# Altium PCB APB.PcbDoc (part 3 of 3)
Units mm, origin at the board's own origin, x right, y up, seen from the top; angles counter-clockwise.
Board outline 70 x 120 mm, 4 copper layers (Top Layer, Internal Plane 1, Internal Plane 2, Bottom Layer); 191 components, 179 nets, 920 pads, 302 vias.
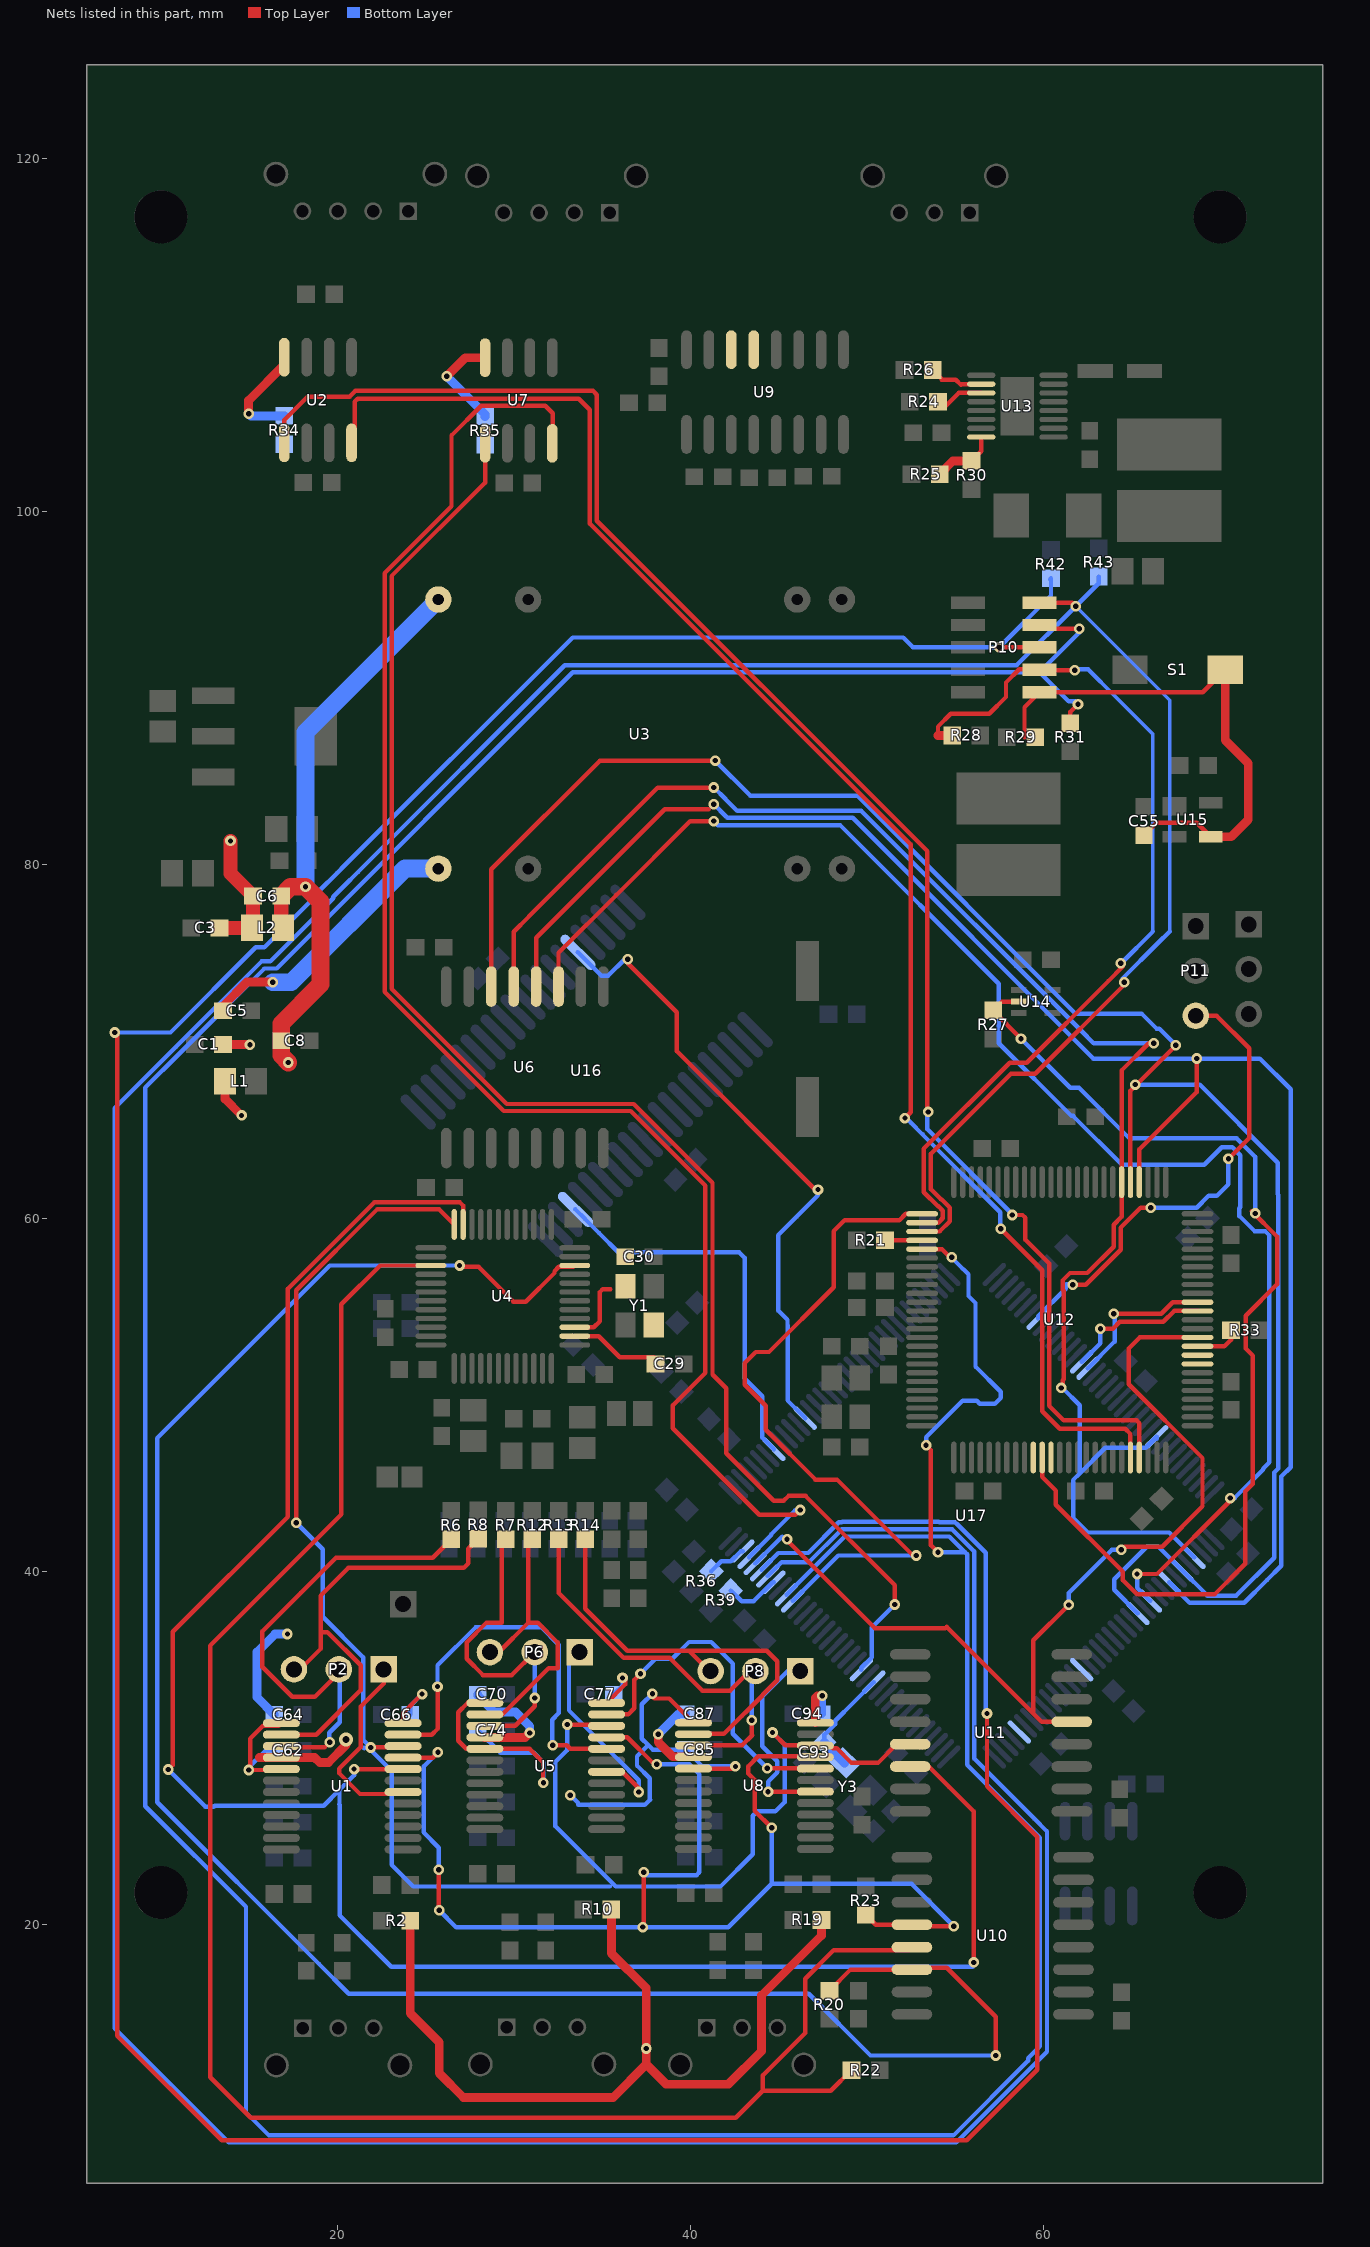
[diagram p5: the nets of this part, all layers, seen from the top]

## Via types
v1: diameter 0.6, hole 0.3, Top Layer to Bottom Layer, tented both sides, 287 vias
v2: diameter 0.8, hole 0.4, Top Layer to Bottom Layer, tented both sides, 14 vias
v3: diameter 0.8, hole 0.4, Top Layer to Bottom Layer, 1 vias

## Nets (pads, with @x,y where several pads share a name; then routed paths per layer and width w, separated by ;. In a path a pad name is that pad's centre, name@x,y a point inside that pad or via, vN(x,y) a via of type N, cw(c..) or ccw(c..) an arc to the next point about the centre after c; other vN are vias at no path point) (continued)
NetP4_3: P11.3 U17.80 | length 26.6
  Top Layer w0.25: v1(61.648,56.224) 61.663,56.21 61.984,56.21 61.969,56.224 62.383,56.224 64.369,58.21 64.369,59.46 65.494,60.585 v1(66.069,60.585) ; P11.3@68.919,71.455 69.799,71.455 71.644,69.61 71.644,64.535 v1(70.469,63.36)
  Bottom Layer w0.25: U17.80@59.684,54.324 59.684,54.431 61.248,55.995 61.248,56.224 61.279,56.255 61.623,56.255 61.654,56.224 v1(61.648,56.224) ; v1(66.069,60.585) 68.669,60.585 69.344,61.26 69.819,61.26 70.469,61.91 v1(70.469,63.36)
NetP8_2: P2.2 R6.2 U1.15 | length 27.7
  Top Layer w0.25: 17.744,32.885 17.444,32.885 15.769,34.56 15.744,34.56 15.744,36.585 17.932,38.773
  Top Layer w0.254: U1.15@16.847,30.06 U1.15@16.822,30.085 16.872,30.034 19.294,30.034 v1(19.569,30.31) ; 17.744,32.885 18.729,32.885 P2.2@20.129,34.285 ; 17.932,38.773 19.919,40.76 25.394,40.76 R6.2@26.444,41.81
  Bottom Layer w0.25: v1(19.569,30.31) 19.544,30.334 19.544,30.849 20.129,31.435
  Bottom Layer w0.254: 20.129,31.435 P2.2@20.129,34.285
NetP8_3: P2.3 R8.2 U1.14 | length 25.8
  Top Layer w0.254: U1.14@16.822,30.735 18.794,30.735 21.319,33.26 21.319,34.66 19.43,36.548 19.044,36.548 ; P2.3@17.589,34.285 17.736,34.285 19.044,35.592 19.044,36.548 ; R8.2@27.986,41.832 27.419,41.264 27.419,40.435 27.169,40.185 25.894,40.185 20.623,40.185 19.044,38.606 19.044,36.548
NetP9_2: P6.2 R7.2 U5.15 | length 19.3
  Top Layer w0.254: U5.15@28.349,31.232 30.066,31.232 31.179,32.344 v1(31.179,32.81) ; R7.2@29.544,41.81 29.319,41.585 29.319,37.085 28.444,37.085 27.319,35.96 27.319,35.035 28.244,34.11 29.879,34.11 P6.2@31.179,35.409
  Bottom Layer w0.254: v1(31.179,32.81) P6.2@31.179,35.409
NetP9_3: P6.3 R12.2 U5.14 | length 16.5
  Top Layer w0.254: U5.14@28.372,31.86 U5.14@28.349,31.882 29.341,31.882 31.969,34.51 32.469,34.51 32.469,35.96 31.344,37.085 30.819,37.085 ; P6.3@28.639,35.409 29.144,35.409 30.819,37.085 ; R12.2@31.044,41.81 30.819,41.585 30.819,37.085
NetP10_2: P8.2 R13.2 U8.15 | length 24.2
  Top Layer w0.254: R13.2@32.544,41.81 32.544,38.76 36.223,35.081 38.819,35.081 40.665,33.235 42.253,33.235 P8.2@43.479,34.46 ; U8.15@40.123,30.134 42.918,30.134 43.494,30.71 43.472,30.731 v1(43.472,31.548)
  Bottom Layer w0.254: P8.2@43.479,34.46 43.479,31.555 v1@43.486,31.548
NetP10_3: P8.3 R14.2 U8.14 | length 24.6
  Top Layer w0.254: R14.2@34.044,41.81 34.044,37.859 36.419,35.485 39.914,35.485 ; U8.14@40.123,30.785 41.893,30.785 42.895,31.787 43.233,32.125 44.919,33.81 44.919,34.885 44.317,35.487 39.916,35.487 39.914,35.485 ; P8.3@40.939,34.46 39.914,35.485
NetR1_1: R34.1
NetR1_2: R34.2 U2.8 | length 6.1
  Top Layer w0.5: v1(14.969,105.56) 14.969,106.31 16.989,108.33 U2.8@16.989,108.76
  Bottom Layer w0.5: v1(14.969,105.56) 15.094,105.434 R34.2@16.994,105.434
NetR2_1: R35.1
NetR2_2: R35.2 U7.8 | length 5.8
  Top Layer w0.5: v1(26.194,107.685) 27.241,108.732 U7.8@28.361,108.732
  Bottom Layer w0.5: v1(26.194,107.685) 28.366,105.512 R35.2@28.366,105.407
NetR21_1: R27.1 U12.36 U14.2 | length 61.9
  Top Layer w0.25: U14.2@58.594,72.26 57.644,72.26 R27.1@57.144,71.759 57.144,71.735 v1(58.719,70.16) ; U12.36@59.919,46.435 59.919,45.335 60.694,44.56 60.694,43.76 64.494,39.96 64.494,39.485 65.301,38.677 69.686,38.677 71.419,40.41 71.419,44.51 71.844,44.935 71.844,52.21 71.444,52.61 71.444,54.459 73.226,56.242 73.226,58.952 71.794,60.385 71.869,60.385 v1(71.994,60.26)
  Bottom Layer w0.25: v1(58.719,70.16) 61.506,67.372 62.006,67.372 64.869,64.51 70.944,64.51 71.994,63.46 v1(71.994,60.26)
NetR22_1: R25.2 R30.1 U13.16 | length 3.7
  Top Layer w0.25: R30.1@55.919,102.884 56.469,103.435 U13.16@56.469,104.235
  Top Layer w0.5: R25.2@54.119,102.135 54.869,102.884 R30.1@55.919,102.884
NetR23_2: R26.2 U13.10 | length 3.1
  Top Layer w0.25: R26.2@53.719,108.035 54.219,107.535 54.219,107.485 55.019,107.485 55.319,107.185 ; 55.369,107.234 U13.10@56.469,107.234
NetR25_2: R24.2 U13.11 | length 2.6
  Top Layer w0.25: R24.2@54.219,105.985 54.444,105.985 55.194,106.735 U13.11@56.469,106.735
NetR42_1: R39.1 U17.29 | length 3.1
  Bottom Layer w0.254: R39.1@42.284,38.9 42.9,38.285 43.569,38.285 44.653,39.369 U17.29@44.729,39.369
NetR43_2: R36.2 U17.34 | length 2.2
  Bottom Layer w0.254: R36.2@41.184,40 41.735,40.551 42.271,40.551 42.858,41.137 U17.34@42.961,41.137
NetR44_2: R33.2 U12.60 | length 2.6
  Top Layer w0.25: U12.60@68.719,52.735 70.244,52.735 70.619,53.109 R33.2@70.619,53.635
NetR45_1: R21.1 U12.4 | length 2.1
  Top Layer w0.25: R21.1@51.019,58.735 U12.4@53.119,58.735
NetU3_1: U2.1 U12.47 | length 95.5
  Top Layer w0.25: U2.1@16.989,103.91 16.989,105.205 18.314,106.53 20.698,106.53 21.021,106.852 34.476,106.852 34.694,106.635 34.694,99.5 53.419,80.775 53.419,66.01 v1(53.469,66.01) ; v1(58.224,60.172) 58.806,60.172 58.969,60.01 58.969,58.774 60.319,57.424 60.319,49.355 61.139,48.535 65.269,48.535 65.419,48.385 U12.47@65.419,46.435
  Bottom Layer w0.25: v1(53.469,66.01) 53.419,65.96 53.419,65.025 58.224,60.22 v1(58.224,60.172)
NetU3_4: U2.4 U12.46 | length 90.6
  Top Layer w0.25: U2.4@20.799,103.91 20.981,104.092 20.981,106.247 21.144,106.41 33.669,106.41 34.294,105.785 34.294,99.335 52.469,81.16 52.469,65.985 v1(52.144,65.66) ; v1(57.569,59.385) 59.919,57.035 59.919,49.06 60.919,48.06 64.619,48.06 64.919,47.76 U12.46@64.919,46.435
  Bottom Layer w0.25: v1(52.144,65.66) 52.219,65.66 52.469,65.41 52.469,65.405 53.139,64.735 53.144,64.735 57.549,60.329 57.549,59.404 v1(57.569,59.385)
NetU4_1: U7.1 U17.15 | length 89.9
  Top Layer w0.25: U7.1@28.361,103.882 28.361,101.652 23.069,96.36 23.069,72.985 29.594,66.46 36.784,66.46 41.244,62 41.244,51.124 41.254,51.124 42.019,50.36 42.019,46.68 44.714,43.985 45.273,43.985 45.548,44.26 46.519,44.26 51.569,39.21 v1(51.569,38.11)
  Bottom Layer w0.25: U17.15@49.678,34.419 49.678,34.525 50.262,35.11 50.262,36.803 v1(51.569,38.11)
NetU4_4: U7.4 U17.33 | length 92
  Top Layer w0.25: U7.4@32.171,103.882 32.194,103.904 32.194,105.585 31.769,106.01 28.144,106.01 26.461,104.327 26.461,100.317 22.669,96.525 22.669,72.819 29.428,66.06 36.619,66.06 40.844,61.835 40.844,51.235 38.994,49.385 38.994,48.091 43.9,43.185 45.944,43.185 v1(46.219,43.46)
  Bottom Layer w0.25: U17.33@43.314,40.783 44.582,42.051 44.582,42.098 45.944,43.46 v1(46.219,43.46)
NetU11_26: U12.1 U17.26 | length 39.3
  Top Layer w0.25: v1(52.794,40.885) 52.598,40.885 48.298,45.185 47.075,45.185 44.261,47.999 44.261,49.368 43.069,50.56 43.069,51.785 43.694,52.41 44.444,52.41 48.119,56.085 48.119,59.26 48.744,59.885 51.182,59.885 51.193,59.873 51.832,59.873 52.194,60.235 U12.1@53.119,60.235
  Bottom Layer w0.25: U17.26@45.789,38.308 45.793,38.308 48.369,40.885 v1(52.794,40.885)
NetU11_87: U12.64 U17.87 | length 8.3
  Top Layer w0.25: v1(63.219,53.735) 63.932,53.735 64.319,54.122 66.781,54.122
  Top Layer w0.254: v1@63.219,53.685 v1(63.219,53.735) ; 66.781,54.122 67.394,54.735 U12.64@68.719,54.735
  Bottom Layer w0.254: U17.87@62.159,51.85 63.219,52.909 v1(63.219,53.735)
NetU11_88: U12.65 U17.88 | length 8.7
  Top Layer w0.25: v1(63.969,54.585) 65.442,54.585 65.444,54.583 66.67,54.583
  Top Layer w0.254: 66.67,54.583 67.322,55.234 U12.65@68.719,55.234
  Bottom Layer w0.25: 64.019,53.003 v1@64.019,54.534
  Bottom Layer w0.254: U17.88@62.512,51.496 64.019,53.003
NetU11_130: U17.130
NetU11_140: U17.140
NetU12_35: U12.35
NetU12_37: U12.37
NetU12_58: U12.58
NetU12_59: U12.59
NetU14_11: U1.11 U5.8 | length 22.9
  Top Layer w0.254: U1.11@23.722,30.735 25.344,30.735 25.669,31.06 v1(25.669,33.46) ; v1(32.194,30.135) 32.994,30.135 33.196,29.932 U5.8@35.249,29.932
  Bottom Layer w0.25: v1(25.669,33.46) 25.669,34.66 27.819,36.81 31.569,36.81 32.544,35.835 32.544,31.96 32.169,31.585 32.169,30.16 v1(32.194,30.135)
NetU15_11: U5.11 U8.8 | length 19.7
  Top Layer w0.25: U5.11@35.249,31.882 36.466,31.882 36.819,32.235 36.819,33.835 v1(37.169,34.185)
  Top Layer w0.254: v1(44.343,28.834) U8.8@47.023,28.834
  Bottom Layer w0.25: v1(37.169,34.185) 38.019,35.035 38.969,35.035 39.919,35.985 41.169,35.985 42.394,34.76 42.394,32.71
  Bottom Layer w0.254: 42.394,32.71 42.394,30.784 v1(44.343,28.834)
NetU18_13: U9.13
NetU18_14: U9.14
NRST: C55.1 P10.10 R29.1 S1.1 U15.3 | length 29.9
  Top Layer w0.25: 58.919,87.235 58.919,88.935 P10.10@59.769,89.785 69.018,89.785 S1.1@70.294,91.061
  Top Layer w0.254: C55.1@65.694,81.685 66.393,82.385 68.683,82.385 U15.3@69.468,81.599
  Top Layer w0.5: U15.3@69.468,81.599 70.633,81.599 71.594,82.561 71.594,85.761 70.294,87.06 S1.1@70.294,91.061
NWE: U16.17 U17.49 | length 35.3
  Top Layer w0.254: v1@36.444,74.435 39.219,71.66 39.219,69.46 v1@47.044,61.635
  Bottom Layer w0.25: 46.019,60.085 47.219,61.285 v1(47.219,61.61)
  Bottom Layer w0.254: U16.17@33.624,75.052 34.941,73.735 35.344,73.735 v1@36.269,74.66 ; 46.019,60.085 44.969,59.035 44.969,54.76 45.494,54.235 45.494,53.935 45.498,53.931 45.498,49.666 U17.49@46.496,48.668
  other v1: 36.444,74.66
OE: U16.41 U17.44 | length 22.3
  Bottom Layer w0.25: U16.41@34.018,59.95 34.842,59.126 ; 43.076,51.949 43.076,50.902 43.481,50.497
  Bottom Layer w0.254: U16.41@33.482,60.486 U16.41@34.018,59.95 ; 34.842,59.126 35.903,58.065 42.749,58.065 43.076,57.738 43.076,51.949 ; 43.481,50.497 44.073,49.906 44.073,47.556 U17.44@44.729,46.9
OUT1: U6.13 U12.81 U17.99 U17.112 | length 92.3
  Top Layer w0.25: U6.13@29.984,73.109 29.984,76.217 30.822,77.056 ; v1(60.998,50.374) 61.086,50.461 61.086,50.817 61.144,50.875 61.144,55.871 61.073,55.942 61.073,56.462 61.496,56.885 62.478,56.885 63.969,58.375 63.969,59.625 64.419,60.075 U12.81@64.419,62.035 ; 64.419,68.36 65.955,69.896 v1(66.232,69.896)
  Top Layer w0.254: 30.822,77.056 38.151,84.385 v1(41.319,84.385) ; U12.81@64.419,62.035 64.419,68.36
  Bottom Layer w0.25: v1(60.998,50.374) 61.067,50.374 62.046,49.395 62.046,45.532 ; 62.469,70.26 62.832,69.896 v1(66.232,69.896) ; U17.99@66.401,47.607 65.779,46.985 63.498,46.985 62.046,45.532 ; U17.112@68.523,40.783 67.122,42.185 62.519,42.185 61.669,43.035 61.669,45.155 62.046,45.532
  Bottom Layer w0.254: v1(41.319,84.385) 41.326,84.385 41.996,83.715 41.996,83.708 42.636,83.068 49.661,83.068 62.469,70.26 ; U17.99@66.401,47.504 U17.99@66.401,47.607
OUT2: U6.12 U12.79 U17.116 | length 98.2
  Top Layer w0.25: 65.419,63.885 68.669,67.135 v1(68.669,69.035)
  Top Layer w0.254: U6.12@31.254,73.109 31.254,75.87 38.546,83.162 41.046,83.162 ; U12.79@65.419,62.035 65.419,63.885
  Bottom Layer w0.25: 72.628,39.469 73.469,40.31 73.469,45.36 73.994,45.885 73.994,46.31
  Bottom Layer w0.254: v1@41.326,83.435 41.996,82.765 ; 41.996,82.758 42.09,82.664 49.19,82.664 62.819,69.035 v1(68.669,69.035) 72.244,69.035 73.994,67.285 73.994,46.31 ; U17.116@67.108,39.369 68.268,38.21 71.369,38.21 72.628,39.469
  other v1: 41.319,83.435
OUT3: U6.11 U17.119 | length 84.4
  Top Layer w0.25: U6.11@32.524,73.109 32.524,75.018 35.804,78.299 ; v1(65.294,39.835) 66.419,39.835 70.569,43.985 v1(70.569,44.135)
  Top Layer w0.254: 35.804,78.299 39.99,82.485 v1(41.319,82.485)
  Bottom Layer w0.25: 57.463,73.265 57.463,69.902 61.58,65.785 ; 61.669,65.785 64.444,63.01 69.094,63.01 70.094,64.01 70.694,64.01 71.144,63.56 71.144,60.61 71.094,60.56 71.094,60.11 71.944,59.26 72.544,59.26 72.794,59.01 ; v1(65.294,39.835) 65.294,39.063 U17.119@66.048,38.308 ; v1(70.569,44.135) 70.819,44.135 72.019,45.335
  Bottom Layer w0.254: 41.544,82.26 48.469,82.26 57.463,73.265 ; 72.019,45.335 72.444,45.76 ; 72.444,45.81 72.794,46.16 72.794,59.01
OUT4: U6.14 U12.80 U17.114 U17.121 | length 110.4
  Top Layer w0.25: 64.919,66.735 64.919,67.21 v1(67.494,69.785)
  Top Layer w0.254: U6.14@28.714,73.109 28.714,79.755 34.869,85.91 v1(41.394,85.91) ; U12.80@64.919,62.035 64.919,66.735 ; v1@67.369,69.91 v1(67.494,69.785)
  Bottom Layer w0.25: v1(65.194,67.56) 68.844,67.56 73.269,63.135 73.269,61.335 73.294,61.31 73.294,45.81 73.069,45.585 73.069,40.762 70.919,38.612 69.28,38.612 U17.114@67.816,40.076 ; 66.396,70.732 66.546,70.732 v1(67.494,69.785)
  Bottom Layer w0.254: v1(41.394,85.91) 43.394,83.91 49.469,83.91 61.819,71.56 65.569,71.56 66.396,70.732 ; U17.121@65.341,37.601 63.994,38.949 63.994,39.535 65.844,41.385 66.507,41.385 U17.114@67.816,40.076
OUT5: U11.5 U12.61 U17.32 | length 54.8
  Top Layer w0.25: v1@45.431,41.772 50.444,36.76 54.44,36.76 54.517,36.836 59.419,31.935 ; v1(61.419,38.085) 59.419,36.085 59.419,31.935 ; U11.5@61.594,31.469 59.884,31.469 59.419,31.935 ; v1(64.394,41.21) 64.569,41.385 64.794,41.385 66.719,41.385 69.001,43.667 69.001,46.402 64.819,50.585 64.819,52.61 65.444,53.234 U12.61@68.719,53.234
  Bottom Layer w0.25: U17.32@43.668,40.43 45.198,41.959 ; v1(61.419,38.085) 61.419,38.76 63.869,41.21 v1(64.394,41.21)
  other v1: 45.469,41.81
OUT_ISOL1: R20.1 U4.10 U10.14 | length 116.8
  Top Layer w0.25: 27.647,57.235 27.994,57.235 29.969,55.26 30.669,55.26 32.294,56.885 32.294,56.986 32.542,57.234 33.369,57.234 U4.10@33.444,57.31 ; R20.1@47.869,16.235 49.064,17.429 U10.14@52.544,17.429 52.649,17.535 54.519,17.535 57.294,14.76 v1(57.294,12.56)
  Top Layer w0.254: v1(26.919,57.31) 26.994,57.235 27.647,57.235
  Bottom Layer w0.25: 19.569,57.31 9.794,47.535 9.794,26.91 18.931,17.772 20.644,16.06 46.694,16.06 50.194,12.56 v1(57.294,12.56)
  Bottom Layer w0.254: 19.569,57.31 v1(26.919,57.31)
OUT_ISOL2: R22.1 U4.27 U10.13 | length 105.4
  Top Layer w0.25: 42.569,9.035 44.094,10.56 ; R22.1@49.119,11.734 47.944,10.56 44.094,10.56 ; 49.394,18.535 48.119,18.535 46.494,16.91 46.494,13.835 44.094,11.435 44.094,10.56
  Top Layer w0.254: U4.27@25.294,57.31 22.419,57.31 20.219,55.11 20.219,43.21 12.794,35.785 12.794,11.335 15.094,9.035 42.569,9.035 ; 49.394,18.535 52.379,18.535 U10.13@52.544,18.699
OUT_ISOL3: R23.1 U1.9 U5.9 U8.9 U10.12 | length 77.6
  Top Layer w0.254: U1.9@23.722,29.434 25.394,29.434 v1(25.694,29.735) ; v1(25.744,23.085) 25.744,20.81 v1(25.769,20.785) ; U5.9@35.249,30.582 36.421,30.582 v1@37.844,29.16 ; v1(37.294,19.835) 37.344,19.885 v1(37.344,22.935) ; v1(44.594,25.46) 43.626,26.427 43.626,28.177 43.269,28.535 43.269,28.935 43.845,29.511 46.996,29.511 U8.9@47.023,29.484 ; R23.1@49.919,20.534 50.484,19.969 U10.12@52.544,19.969 52.629,19.885 v1(54.919,19.885)
  Bottom Layer w0.25: v1(38.094,29.06) 39.944,29.06 40.189,28.814
  Bottom Layer w0.254: v1(25.694,29.735) 24.902,28.943 24.902,25.216 24.882,25.196 25.744,24.335 v1(25.744,23.085) ; v1(25.769,20.785) 26.719,19.835 v1(37.294,19.835) 42.144,19.835 44.594,22.285 ; v1(37.344,22.935) 37.494,22.785 40.344,22.785 40.502,22.943 40.502,28.501 40.189,28.814 ; v1(44.594,25.46) 44.594,22.285 ; v1(54.919,19.885) 52.519,22.285 44.594,22.285
OUT_ISOL4: U1.8 U4.23 U11.14 | length 122.1
  Top Layer w0.25: 10.669,29.01 10.669,36.557 17.194,43.082 17.194,56 22.078,60.885 26.944,60.885 27.119,60.71 U4.23@27.119,59.635 ; U11.14@52.444,28.929 53.499,28.929 54.634,27.794 ; 56.044,24.485 v1(56.044,17.835) 56.044,26.385
  Top Layer w0.254: v1(20.944,28.785) U1.8@23.722,28.785 ; 54.634,27.794 56.044,26.385
  Bottom Layer w0.25: v1(10.419,28.76) 12.519,26.66 12.994,26.66 13.044,26.71 19.219,26.71 20.119,27.61 ; 20.119,20.51 23.044,17.585 v1@55.994,17.585 ; 20.119,26.76 20.094,26.785 20.119,26.81 20.119,27.61 ; v1(20.944,28.785) 20.944,28.435 20.119,27.61
  Bottom Layer w0.254: 20.119,20.51 20.119,26.76
OUT_ISOL5: U1.10 U4.24 U5.10 U8.10 U11.13 | length 100.3
  Top Layer w0.25: v1(17.669,42.744) 17.669,55.91 22.244,60.485 25.769,60.485 U4.24@26.619,59.635 ; U8.10@47.819,30.199 48.059,29.96 48.294,29.96 49.119,29.135 50.619,29.135 51.684,30.199 U11.13@52.444,30.199
  Top Layer w0.254: v1(21.894,30.01) 23.647,30.01 U1.10@23.722,30.085 ; v1(33.019,31.31) 35.172,31.31 U5.10@35.249,31.232 ; v1(44.644,30.86) 45.369,30.134 47.023,30.134 47.088,30.199 U8.10@47.819,30.199
  Bottom Layer w0.25: v1(17.669,42.744) 19.169,41.244 19.169,37.41 21.469,35.11 21.469,30.435 v1(21.894,30.01) ; 21.519,29.96 21.469,30.01 21.744,30.01 23.069,28.685 23.069,23.36 24.294,22.135 ; 32.344,25.56 32.344,29.185 33.019,29.86 v1(33.019,31.31)
  Bottom Layer w0.254: 24.294,22.135 35.422,22.135 ; 32.344,25.56 35.769,22.135 41.694,22.135 43.521,23.962 43.521,26.137 43.769,26.385 44.794,26.385 45.324,26.915 45.324,30.179 v1(44.644,30.86)
OVR_Preamp1: P2.1 U1.6 | length 11.1
  Top Layer w0.25: P2.1@22.619,34.435 22.619,33.635 21.314,32.33 21.314,30.03 20.094,28.81 20.094,28.56 21.28,27.373 23.61,27.373 U1.6@23.722,27.484
OVR_Preamp2: P6.1 U5.6 | length 12.2
  Top Layer w0.254: U5.6@35.249,28.632 35.272,28.61 36.156,28.61 37.069,27.697 v1(37.069,27.485)
  Bottom Layer w0.25: P6.1@33.719,35.409 33.119,34.81 33.119,32.11 35.895,29.333
  Bottom Layer w0.254: 35.895,29.333 37.069,28.16 v1(37.069,27.485)
OVR_Preamp3: P8.1 U8.6 | length 11.4
  Top Layer w0.254: v1(44.394,27.51) U8.6@47.069,27.509
  Bottom Layer w0.254: v1(44.394,27.51) 44.394,28.069 44.92,28.595 44.92,29.233 44.067,30.087 44.067,32.908 45.494,34.335 P8.1@46.219,34.335
TCK: P10.4 R31.1 U12.5 U17.27 | length 245
  Top Layer w0.25: U12.5@53.119,58.234 54.244,58.234 54.694,57.785 v1(54.794,57.785) ; v1(53.344,47.135) 53.619,46.86 53.619,41.46 v1(54.019,41.06) ; P10.4@59.769,93.591 59.975,93.385 v1(62.019,93.385) ; R31.1@61.519,87.635 R31.1@61.519,88.035 61.519,88.671 v1(61.948,89.101)
  Bottom Layer w0.25: U17.27@45.436,38.662 48.733,41.96 54.659,41.96 55.559,41.06 ; v1(53.344,47.135) 53.344,47.585 55.419,49.66 56.207,49.66 56.382,49.485 57.244,49.485 57.569,49.81 57.569,50.16 56.144,51.585 56.144,55.185 55.744,55.585 55.744,56.81 55.444,57.11 55.43,57.11 54.782,57.758 54.782,57.773 v1(54.794,57.785) ; v1(54.019,41.06) 55.559,41.06 ; v1(61.948,89.101) 61.79,89.26 61.419,89.26 59.769,90.91 ; v1(62.019,93.385) 62.019,93.16 59.769,90.91 ; 55.559,41.06 55.669,40.95 55.669,29.023 59.794,24.898 59.794,13.085 59.119,12.41 59.119,12.26 54.894,8.035 16.121,8.035 14.819,9.337 14.819,20.985 9.117,26.686 9.117,67.386 11.041,69.31 15.866,74.135 16.559,74.135 33.334,90.91 59.769,90.91
TDI: P10.8 R28.1 U12.2 | length 52.1
  Top Layer w0.25: U12.2@53.119,59.735 54.044,59.735 54.294,59.985 54.257,60.022 54.294,60.058 54.294,60.411 54.045,60.66 54.019,60.66 53.219,61.46 53.219,63.935 58.079,68.795 59.038,68.795 63.646,73.402 64.488,74.244 64.488,74.315 v1(64.369,74.435) ; 54.019,87.335 54.019,87.835 54.744,88.56 56.919,88.56 57.869,89.51 57.869,90.335 58.619,91.085 59.737,91.085 P10.8@59.769,91.053 59.787,91.035 v1(61.769,91.035)
  Top Layer w0.5: 54.019,87.335 R28.1@54.819,87.335
  Bottom Layer w0.2: 63.244,90.36 66.194,87.41 66.194,76.235
  Bottom Layer w0.25: v1(61.769,91.035) 61.819,91.085 62.519,91.085 63.244,90.36 ; v1(64.369,74.435) 64.394,74.435 66.194,76.235
TDO: P10.6 R42.1 U17.31 | length 225.3
  Top Layer w0.25: v1(7.394,70.51) 7.519,70.385 7.519,13.685 13.444,7.76 55.644,7.76 59.644,11.76 59.644,24.96 56.794,27.81 v1(56.794,31.935) ; v1(57.494,92.335) 59.756,92.335 P10.6@59.769,92.322
  Bottom Layer w0.25: v1(7.394,70.51) 10.544,70.51 15.369,75.335 15.525,75.335 15.865,75.335 18.515,77.985 18.969,78.438 18.969,78.53 19.998,79.56 20.394,79.955 32.548,92.11 33.323,92.885 52.048,92.885 52.598,92.335 v1(57.494,92.335) 60.419,95.26 R42.1@60.419,96.235 R42.1@60.369,96.185 ; U17.31@44.021,40.076 44.971,41.025 46.668,41.025 48.402,42.76 48.569,42.76 48.594,42.785 54.069,42.785 54.094,42.76 54.991,42.76 56.719,41.032 56.719,31.985 56.769,31.935 v1(56.794,31.935)
TMS: P10.2 R43.1 U12.3 U17.30 | length 269
  Top Layer w0.25: U12.3@53.119,59.234 54.109,59.234 54.694,59.819 54.694,60.576 54.21,61.06 54.184,61.06 53.619,61.625 53.619,63.635 58.153,68.169 59.533,68.169 64.644,73.28 v1(64.573,73.35) ; P10.2@59.769,94.86 v1@61.619,94.86
  Bottom Layer w0.2: v1(61.819,94.66) 67.144,89.335 67.144,76.23
  Bottom Layer w0.25: U17.30@44.375,39.723 45.162,40.51 46.717,40.51 48.567,42.36 54.825,42.36 56.069,41.116 56.069,29.38 59.469,25.98 60.194,25.255 60.194,12.769 55.059,7.635 13.853,7.635 7.394,14.094 7.394,66.228 10.875,69.71 15.7,74.535 15.857,74.535 16.196,74.535 18.846,77.185 19.769,78.107 19.769,78.199 20.329,78.76 21.194,79.624 32.879,91.31 58.469,91.31 v1(61.819,94.66) 63.119,95.96 R43.1@63.119,96.335 ; v1@64.474,73.565 66.469,75.56 ; 66.473,75.56 67.144,76.23
VA+: C1.2 C5.1 C64.1 C70.1 C87.1 L1.1 R2.2 R10.2 R19.2 U1.16 U3.14 U5.16 U8.16 | length 91.6
  Top Layer w0.5: C1.2@13.519,69.835 15.019,69.835 v1(15.044,69.81) ; C5.1@13.519,71.735 13.519,72.01 14.869,73.36 v1(16.344,73.36) ; L1.1@13.63,67.735 13.63,66.749 v1(14.569,65.81) ; 15.594,29.434 U1.16@16.822,29.434 18.719,29.434 18.994,29.16 19.494,29.16 20.494,30.16 v2(20.494,30.46) ; R2.2@24.12,20.19 24.12,14.958 25.769,13.31 25.769,11.56 27.144,10.185 35.619,10.185 37.494,12.06 ; U5.16@28.349,30.582 30.641,30.582 v1(30.894,30.835) ; R10.2@35.519,20.835 35.519,18.36 37.494,16.385 v1(37.494,12.96) 37.494,12.06 ; v1(38.169,30.76) 38.169,30.31 38.994,29.484 U8.16@40.123,29.484 ; R19.2@47.344,20.21 47.391,20.21 R19.2@47.421,20.239 47.421,19.362 44.019,15.96 44.019,13.612 44.019,12.81 42.144,10.935 38.619,10.935 37.494,12.06
  Bottom Layer w0.5: C64.1@16.424,31.874 15.444,32.853 15.444,35.41 16.469,36.435 v1(17.169,36.435) ; C70.1@27.951,33.021 27.951,32.952 28.894,32.01 30.094,32.01 30.894,31.21 v1(30.894,30.835) ; v1(38.169,30.76) 39.332,31.923 C87.1@39.725,31.923
  Bottom Layer w1: v1(16.344,73.36) 16.369,73.36 17.394,73.36 23.829,79.795 U3.14@25.719,79.795
VA-: C3.1 C6.2 C62.1 C74.1 C85.1 L2.2 U1.13 U1.17 U5.13 U5.17 U8.13 U8.17 | length 53.5
  Top Layer w0.25: U1.17@16.822,28.785 16.772,28.735 v1(14.969,28.735) 15.069,28.835 15.069,30.514 15.789,31.235 16.672,31.235 U1.13@16.822,31.385 ; U5.13@28.349,32.532 27.366,32.532 26.844,32.01 26.844,30.385 27.296,29.932 U5.17@28.349,29.932 30.884,29.932 31.644,29.173 31.644,28.035 v1(31.669,28.01) ; v1(37.844,33.06) 37.844,32.885 37.944,32.785 38.794,32.785 U8.13@40.169,31.41 ; U8.17@40.169,28.81 42.419,28.81 v1(42.544,28.935)
  Top Layer w0.8: C3.1@13.319,76.435 L2.2@15.158,76.435 15.219,76.496 C6.2@15.219,78.235 13.944,79.51 v1(13.944,81.36)
  Bottom Layer w0.25: v1(14.969,28.735) 14.894,28.81 15.926,29.842 C62.1@16.424,29.842 ; C74.1@27.951,30.989 29.231,29.71 31.119,29.71 31.669,29.16 v1(31.669,28.01) ; v1(33.194,27.31) 33.644,26.86 33.644,26.76 37.419,26.76 37.719,27.06 37.694,27.085 37.694,28.26 36.969,28.985 36.969,29.51 37.589,30.13 37.589,30.164 ; v1(37.844,33.06) 37.244,32.46 37.244,30.51 37.589,30.164 ; v1(42.544,28.935) 40.681,28.935 C85.1@39.725,29.891 39.718,29.885 37.869,29.885 37.589,30.164
VD-: C6.1 C8.1 C66.1 C77.1 C94.1 L2.1 U1.12 U3.11 U5.12 U8.12 | length 43.9
  Top Layer w0.25: U1.12@23.722,31.385 23.722,31.963 v1(24.794,33.035) ; U5.12@35.249,32.532 36.294,33.576 36.294,34.06 36.182,33.948 v1(36.147,33.948)
  Top Layer w0.5: U8.12@47.069,31.41 47.069,32.81 47.194,32.935 v1(47.469,32.935)
  Top Layer w0.8: C6.1@16.819,78.235 16.819,76.524 L2.1@16.908,76.435
  Top Layer w1: C6.1@16.819,78.235 17.344,78.76 v1(18.194,78.76) 19.044,77.91 19.044,73.235 16.819,71.01 C8.1@16.819,70.035 16.819,69.21 v1(17.219,68.81)
  Bottom Layer w0.25: C66.1@24.12,31.874 24.12,32.361 v1(24.794,33.035) ; C77.1@35.647,33.021 36.147,33.521 v1(36.147,33.948)
  Bottom Layer w0.5: C94.1@47.421,31.923 47.421,32.925 47.43,32.935 v1(47.469,32.935)
  Bottom Layer w1: v1(18.194,78.76) 18.194,87.51 U3.11@25.719,95.035
XT2: C93.2 U17.13 Y3.1 | length 6.2
  Bottom Layer w0.25: C93.2@47.584,30.3 47.584,30.723 48.196,31.334 48.196,31.522 49.258,32.585 U17.13@50.385,33.712
  Bottom Layer w0.5: C93.2@47.584,30.3 47.584,30.269 Y3.1@48.719,29.135
XTAL1: C29.2 U4.2 Y1.1 | length 5
  Top Layer w0.254: U4.2@33.444,53.31 34.794,53.31 35.994,52.11 C29.2@37.919,52.11
  Top Layer w0.5: C29.2@37.969,51.785 C29.2@38.019,51.735
XTAL2: C30.2 U4.3 Y1.2 | length 3.9
  Top Layer w0.25: 34.869,54.729 34.869,55.81 35.019,55.96 35.469,55.96
  Top Layer w0.254: U4.3@33.444,53.809 34.519,53.809 34.869,54.16 34.869,54.729
pads on no net: P1. P3. P4. P5. P7. P9. P10.7 U1.2 U1.3 U1.4 U1.5 U2.5 U4.6 U4.7 U4.8 U4.9 U4.11 U4.16 U4.28 U4.29 U4.30 U4.31 U5.2 U5.3 U5.4 U5.5 U6.7 U7.5 U8.2 U8.3 U8.4 U8.5 U10.6 U10.7 U10.11 U11.6 U11.11 U12.6 U12.7 U12.8 U12.9 U12.13 U12.14 U12.16 U12.18 U12.20 U12.21 U12.24 U12.25 U12.26 U12.27 U12.29 U12.30 U12.38 U12.39 U12.40 U12.43 U12.44 U12.45 U12.48 U12.49 U12.50 U12.51 U12.52 U12.53 U12.56 U12.57 U12.63 U12.66 U12.67 U12.68 U12.69 U12.70 U12.73 U12.76 U12.77 U12.78 U12.82 U12.85 U12.86 U12.87 U12.88 U12.89 U12.90 U12.91 U12.92 U12.93 U12.94 U12.95 U12.100 U13.6 U13.7 U13.8 U13.9 U16.28 U16.39 U16.40 U16.43 U16.44 U17.1 U17.2 U17.3 U17.6 U17.7 U17.8 U17.9 U17.10 U17.11 U17.14 U17.16 U17.17 U17.18 U17.19 U17.20 U17.21 U17.22 U17.23 U17.24 U17.28 U17.35 U17.47 U17.62 U17.64 U17.66 U17.67 U17.68 U17.69 U17.70 U17.72 U17.73 U17.74 U17.78 U17.79 U17.83 U17.89 U17.90 U17.91 U17.92 U17.93 U17.97 U17.100 U17.101 U17.103 U17.110 U17.113 U17.115 U17.117 U17.120 U17.125 U17.126 U17.129 U17.136 U17.138 U17.139 U17.142 U17.143 U17.144 Y1.3 Y1.4 Y2.3 Y2.4 Y3.3 Y3.4
copper on no net: | length 1.5
  Bottom Layer w0.254: 61.684,32.419 61.684,32.316 ; 62.569,31.835 61.965,31.835 61.584,32.215 ; 61.584,32.215 61.684,32.316 ; 61.584,32.215 61.684,32.316

## Polygon pours and split planes (outlines as drawn)
NetD1_1 on Top Layer "Top Layer-No Net" (solid, pour order 1000): 57.119,98.385 59.169,98.385 59.544,98.385 60.369,99.21 60.344,99.235 60.344,102.285 60.344,102.61 61.569,103.835 61.569,104.36 59.869,104.36 59.344,103.835 58.444,102.935 57.119,102.935
GND on Top Layer "Top Layer-No Net" (solid, pour order 1001): 50.169,107.887 50.196,107.851 50.196,99.648 50.224,99.648 50.859,98.82 50.886,98.785 55.111,98.785 55.635,99.468 56.269,100.293 56.344,100.335 56.669,100.335 57.016,100.763 57.347,101.195 58.12,102.202 58.838,102.202 58.838,107.779 59.694,108.895 59.777,109.002 64.14,109.002 64.144,107.56 64.794,106.885 66.944,106.885 67.619,107.56 67.619,110.622 67.536,110.622 66.266,112.277 66.183,112.385 54.527,112.385 51.742,108.756 50.844,108.76
GND on Internal Plane 1 (split plane): 75.29,5.835 6.31,5.835 6.31,124.815 75.29,124.815
AGND on Internal Plane 1 (split plane): 173 vertices, not listed, extent 8.145,9.961 57.617,77.458
DGND on Internal Plane 1 (split plane): 34.217,95.117 34.217,82.385 34.224,82.345 34.246,82.312 34.28,82.29 34.319,82.283 36.876,82.283 39.667,79.492 39.667,75.261 38.519,75.261 38.48,75.254 38.446,75.232 38.424,75.199 38.417,75.16 38.417,64.828 36.971,63.382 35.6,62.011 34.544,62.011 34.504,62.004 34.471,61.982 34.449,61.949 34.442,61.91 34.442,58.852 34.276,58.686 25.994,58.686 25.954,58.679 25.921,58.657 25.721,58.457 25.699,58.424 25.692,58.385 25.692,40.485 25.699,40.445 25.721,40.412 27.246,38.887 27.28,38.865 27.319,38.858 35.401,38.858 38.596,35.662 38.63,35.64 38.669,35.633 41.976,35.633 42.071,35.537 42.105,35.515 42.144,35.508 53.876,35.508 55.242,34.142 55.242,15.227 53.126,13.111 50.436,13.111 48.92,14.627 48.92,26.585 48.913,26.624 48.891,26.657 48.216,27.332 48.183,27.354 48.144,27.361 46.22,27.361 46.22,32.435 46.213,32.474 46.191,32.507 45.491,33.207 45.458,33.229 45.419,33.236 37.244,33.236 37.205,33.229 37.171,33.207 36.721,32.757 36.699,32.724 36.692,32.685 36.692,28.852 35.876,28.036 33.136,28.036 31.845,29.327 31.845,33.41 31.838,33.449 31.816,33.482 28.391,36.907 28.358,36.929 28.319,36.936 26.119,36.936 26.08,36.929 26.046,36.907 25.096,35.957 25.074,35.924 25.067,35.885 25.067,27.952 23.976,26.861 21.711,26.861 20.57,28.002 20.57,28.985 20.57,37.792 23.566,40.787 23.588,40.821 23.596,40.86 23.596,59.167 27.061,62.633 33.719,62.633 33.758,62.64 33.791,62.662 33.813,62.695 33.82,62.735 33.82,63.684 35.245,65.108 35.267,65.141 35.275,65.18 35.275,74.955 35.267,74.994 35.245,75.027 35.041,75.232 35.008,75.254 34.969,75.261 30.611,75.261 28.241,77.632 28.208,77.654 28.169,77.661 26.236,77.661 23.267,80.631 23.267,81.463 24.086,82.283 28.119,82.283 28.158,82.29 28.191,82.312 28.213,82.345 28.22,82.385 28.22,94.517 30.811,97.108 32.226,97.108
GND on Internal Plane 1 (split plane): 63.167,80.417 63.167,77.536 60.119,77.536 60.08,77.529 60.046,77.507 58.071,75.532 58.049,75.499 58.042,75.46 58.042,75.311 45.686,75.311 43.52,77.477 43.52,80.442 44.286,81.208 53.469,81.208 53.508,81.215 53.541,81.237 54.036,81.733 61.851,81.733
+3.3 on Internal Plane 2 (split plane): 75.29,5.835 51.112,5.835 50.991,5.957 50.958,5.979 50.919,5.986 50.88,5.979 50.846,5.957 50.824,5.923 50.817,5.884 50.824,5.845 50.831,5.835 6.31,5.835 6.31,124.815 75.29,124.815
NetC29_1 on Internal Plane 2 (split plane): 44.805,110.704 44.838,110.682 44.877,110.674 67.06,110.674 71.067,106.667 71.067,102.161 54.844,102.161 54.805,102.154 54.771,102.132 50.871,98.232 50.849,98.199 50.842,98.16 50.842,95.28 50.841,95.282 50.808,95.304 50.769,95.311 50.73,95.304 50.696,95.282 50.674,95.249 50.667,95.21 50.667,94.959 50.674,94.92 50.696,94.887 50.73,94.865 50.769,94.858 50.808,94.865 50.841,94.887 50.842,94.888 50.842,87.786 50.769,87.786 50.73,87.779 50.696,87.757 50.674,87.724 50.667,87.685 50.674,87.645 50.696,87.612 50.73,87.59 50.769,87.583 50.901,87.583 52.421,86.062 52.455,86.04 52.494,86.033 61.901,86.033 62.792,85.142 62.792,83.327 61.326,81.861 51.461,81.861 50.841,82.482 44.421,88.902 44.421,101.76 44.413,101.799 44.391,101.832 33.591,112.632 33.558,112.654 33.519,112.661 17.836,112.661 15.37,115.127 15.37,117.367 16.711,118.708 36.801,118.708
+3.3_ISOL_D on Internal Plane 2 (split plane): 20.842,79.785 20.849,79.745 20.871,79.712 55.742,44.842 55.742,43.06 55.749,43.02 55.771,42.987 55.805,42.965 55.842,42.958 55.842,15.202 53.651,13.011 50.961,13.011 50.82,13.152 50.82,22.484 50.82,28.542 50.966,28.687 50.988,28.721 50.995,28.76 50.995,30.059 50.995,39.184 50.995,44.085 50.988,44.124 50.966,44.157 35.091,60.032 35.058,60.054 35.019,60.061 26.21,60.061 23.916,62.357 23.441,62.832 23.22,63.052 23.22,65.535 23.22,72.81 23.213,72.849 23.191,72.882 18.97,77.102 18.97,79.335 18.963,79.374 18.941,79.407 18.291,80.057 18.258,80.079 18.219,80.086 17.495,80.086 17.495,83.809 17.488,83.849 17.466,83.882 15.316,86.032 15.283,86.054 15.244,86.061 8.586,86.061 8.17,86.477 8.17,88.335 8.17,88.735 8.17,88.817 8.986,89.633 20.842,89.633
+3.3_ISOL on Internal Plane 2 (split plane): 17.292,83.767 17.292,79.985 17.299,79.945 17.321,79.912 17.355,79.89 17.394,79.883 18.176,79.883 18.767,79.292 18.767,77.118 18.762,77.111 18.754,77.072 18.762,77.033 18.784,77 23.017,72.767 23.017,65.535 23.017,63.01 23.024,62.97 23.046,62.937 23.296,62.687 23.771,62.212 26.096,59.887 26.109,59.879 26.129,59.865 26.145,59.862 26.168,59.858 34.976,59.858 42.041,52.793 38.546,49.299 38.524,49.266 38.517,49.227 38.517,48.261 24.186,48.261 20.67,51.777 20.67,54.684 20.67,70.734 20.663,70.774 20.641,70.807 16.028,75.419 14.97,76.477 14.97,85.858 15.201,85.858
VA+ on Internal Plane 2 (split plane): 18.117,73.042 18.117,72.827 15.946,70.657 15.924,70.624 15.917,70.585 15.917,49.135 15.924,49.096 15.946,49.062 18.167,46.842 18.167,34.46 18.174,34.421 18.196,34.387 20.871,31.712 20.905,31.69 20.944,31.683 35.554,31.683 35.58,31.665 35.619,31.658 41.976,31.658 42.974,30.66 41.826,29.511 39.369,29.511 39.33,29.504 39.296,29.482 39.274,29.449 39.267,29.41 39.267,14.727 38.771,14.232 38.749,14.199 38.742,14.16 38.742,12.577 37.726,11.561 37.161,11.561 36.82,11.902 36.82,20.21 36.813,20.249 36.791,20.282 34.795,22.277 34.795,26.36 34.795,28.81 34.788,28.849 34.766,28.882 34.266,29.382 34.233,29.404 34.194,29.411 18.036,29.411 17.966,29.482 15.02,32.427 15.02,34.159 15.02,46.985 15.013,47.024 14.991,47.057 13.545,48.502 13.545,72.792 15.956,75.203
VD- on Internal Plane 2 (split plane): 17.842,50.81 17.849,50.77 17.871,50.737 20.667,47.942 20.667,38.46 20.674,38.42 20.696,38.387 22.146,36.937 22.18,36.915 22.219,36.908 35.151,36.908 36.421,35.637 36.455,35.615 36.494,35.608 46.526,35.608 48.167,33.967 48.167,33.485 48.174,33.446 48.196,33.412 48.742,32.867 48.742,32.402 47.589,31.249 45.873,31.249 45.691,31.432 45.658,31.454 45.619,31.461 44.144,31.461 44.105,31.454 44.071,31.432 43.281,30.641 42.091,31.832 42.058,31.854 42.019,31.861 35.658,31.861 35.633,31.879 35.594,31.886 20.986,31.886 18.37,34.502 18.37,46.885 18.363,46.924 18.341,46.957 16.12,49.177 16.12,70.542 17.842,72.263
VA- on Internal Plane 2 (split plane): 14.767,76.435 14.774,76.395 14.796,76.362 15.812,75.347 13.371,72.907 13.349,72.874 13.342,72.835 13.342,48.46 13.349,48.42 13.371,48.387 14.817,46.942 14.817,34.159 14.817,32.385 14.824,32.345 14.846,32.312 17.821,29.337 17.921,29.237 17.955,29.215 17.994,29.208 34.151,29.208 34.592,28.767 34.592,26.461 16.061,26.461 12.52,30.002 12.52,47.11 12.513,47.149 12.491,47.182 12.271,47.402 12.271,79.659 12.271,85.858 14.767,85.858
NetC69_1 on Internal Plane 2 (split plane): 50.696,82.337 51.346,81.687 51.38,81.665 51.419,81.658 61.369,81.658 61.408,81.665 61.441,81.687 62.792,83.038 62.792,78.402 60.876,76.486 46.036,76.486 44.07,78.452 44.07,88.467 44.319,88.715

## Other copper
Top Layer:
  rectangle net NetC69_1: 44.794,78.135 50.394,81.06
  rectangle net NetC69_1: 45.819,72.26 47.444,78.185
  rectangle net NetC29_1: 60.694,82.385 62.494,85.21
  rectangle net NetC29_1: 53.069,82.31 55.719,85.685
  rectangle net AGND: 25.444,46.835 28.394,48.01
  rectangle net NetC59_1: 47.444,50.66 48.569,53.235
  rectangle net NetC58_1: 49.094,46.585 50.069,49.235
  rectangle net CM: 25.394,48.51 28.444,49.785
  rectangle net LF: 31.094,46.285 34.544,47.71
  rectangle net +3.3_ISOL_D: 11.619,86.01 19.469,88.06
  rectangle net +3.3_ISOL_D: 17.569,81.185 20.319,89.41
  rectangle net XTAL1: 37.344,51.76 38.519,54.685
  rectangle net XTAL2: 35.469,55.41 36.869,58.36
  region net +3.3: 70.919,97.51 70.894,97.485 70.894,94.885 69.494,93.485 65.569,93.485 65.569,95.535 65.394,95.71
  region net +3.3: 64.194,101.16 64.194,98.935 65.394,97.735 65.394,95.71 65.894,95.21 68.619,95.21 70.919,97.51 70.919,101.285
  region net NetC30_1: 62.169,105.035 62.169,104.035 62.194,104.01 63.244,104.01 64.044,103.21 64.044,102.36 62.969,101.285 61.169,101.285 61.169,98.485 61.469,98.185 63.419,98.185 63.419,100.835 64.369,101.785 70.319,101.785 70.894,102.36 70.894,105.485 62.644,105.485 62.444,105.285
Internal Plane 1 (plane layer: these items are gaps in the copper):
  lines w0.2: 20.606,77.547 24.344,73.81 24.344,73.51 24.344,69.159 ; 20.606,77.56 9.019,77.56 8.044,76.585 8.044,75.585 8.044,75.535 9.444,74.135 18.069,74.135 21.244,70.96 21.244,67.134 21.244,43.359 14.169,36.285 14.169,11.209 15.519,9.86 53.244,9.86 57.719,14.334 57.719,35.435 55.419,37.735 44.269,37.735 39.594,42.41 39.594,46.61 39.167,47.036 39.167,50.261 37.844,51.585 37.844,53.284 39.769,55.21 39.769,60.584 37.043,63.31 ; 24.444,69.159 26.844,69.159 28.944,67.06 28.944,62.735 ; 45.344,64.71 45.869,64.185 49.794,64.185 57.894,72.285 64.669,72.285 67.219,74.835 67.219,82.085 62.419,86.885 58.094,86.885 50.694,94.285 50.694,99.61 54.344,103.259 61.469,103.259 63.044,104.834 63.044,107.885 62.044,108.885 42.719,108.885 32.644,118.959 25.294,118.959 22.569,116.235 22.569,114.235 24.494,112.31 33.544,112.31 43.994,101.859 43.994,94.71 45.469,93.235 49.019,93.235 57.244,85.01 61.269,85.01 65.219,81.06 65.219,75.81 62.819,73.41 57.344,73.41 52.544,68.61 45.344,68.61 ; 23.165,81.506 24.044,82.385 28.119,82.385 28.119,94.56 30.769,97.21 32.269,97.21 34.319,95.16 34.319,82.385 36.919,82.385 39.769,79.535 39.769,75.16 38.519,75.16 38.519,64.786 37.043,63.31 ; 23.165,81.506 23.165,81.506 ; 23.165,81.506 23.165,80.588 26.194,77.56 28.169,77.56 30.569,75.16 34.969,75.16 35.173,74.955 35.173,65.18 33.719,63.726 33.719,62.735 28.944,62.735 ; 28.944,62.735 27.019,62.735 23.494,59.209 23.494,40.86 20.469,37.835 20.469,28.985 20.469,27.96 21.669,26.76 24.018,26.76 25.169,27.91 25.169,35.885 26.119,36.835 28.319,36.835 31.744,33.41 31.744,29.285 33.094,27.935 35.919,27.935 36.794,28.81 36.794,32.685 37.244,33.135 38.194,33.135 40.559,33.135 45.419,33.135 46.119,32.435 46.119,27.259 48.144,27.259 48.819,26.585 48.819,14.584 50.394,13.009 53.169,13.009 55.344,15.185 55.344,34.184 53.919,35.61 42.144,35.61 42.019,35.735 38.669,35.735 35.444,38.959 34.819,38.959 34.369,38.959 27.319,38.959 25.794,40.485 25.794,58.385 25.994,58.585 34.319,58.585 34.544,58.809 34.544,61.91 35.642,61.91 37.043,63.31 ; 43.419,77.435 43.419,80.485 44.244,81.31 53.469,81.31 53.994,81.835 61.894,81.835 63.269,80.46 63.269,77.435 60.119,77.435 58.144,75.46 58.144,75.21 45.644,75.21 43.419,77.435
Internal Plane 2 (plane layer: these items are gaps in the copper):
  lines w0.2: 12.169,85.96 12.169,79.659 12.169,47.36 12.419,47.11 12.419,29.96 16.019,26.36 34.694,26.36 ; 14.844,85.96 14.869,85.935 14.869,76.435 20.569,70.734 20.569,54.684 20.569,51.735 24.144,48.16 27.094,48.16 38.619,48.16 38.619,49.227 42.185,52.793 ; 15.956,75.347 13.444,72.835 13.444,48.46 14.919,46.985 14.919,34.159 14.919,32.385 17.894,29.41 17.994,29.31 34.194,29.31 34.694,28.81 34.694,26.36 ; 17.961,72.527 17.944,72.509 17.944,50.81 20.769,47.985 20.769,38.46 22.219,37.01 35.194,37.01 36.494,35.71 37.622,35.71 46.569,35.71 48.269,34.01 48.269,33.485 48.844,32.91 48.844,32.36 47.631,31.147 45.831,31.147 45.619,31.36 44.144,31.36 43.281,30.497 42.019,31.76 39.669,31.76 35.619,31.76 ; 18.219,73.084 18.219,72.785 16.019,70.585 16.019,49.135 18.269,46.885 18.269,34.46 20.944,31.785 35.594,31.785 ; 18.856,77.072 23.119,72.81 23.119,65.535 23.119,63.01 23.369,62.76 23.844,62.284 26.168,59.96 32.869,59.96 35.019,59.96 50.894,44.085 50.894,39.184 ; 18.869,77.085 18.869,79.335 18.219,79.985 17.394,79.985 17.394,83.809 15.244,85.96 8.544,85.96 8.069,86.434 8.069,88.335 8.069,88.735 8.069,88.86 8.944,89.735 20.944,89.735 20.944,79.785 55.844,44.885 55.844,43.06 ; 43.118,30.66 41.869,29.41 39.369,29.41 39.369,14.685 38.844,14.16 38.844,12.535 37.769,11.46 37.119,11.46 36.719,11.86 36.719,20.21 34.694,22.235 34.694,26.36 ; 50.769,87.685 50.944,87.685 ; 50.769,95.21 50.769,94.959 51.019,95.21 ; 50.894,37.009 50.894,39.184 ; 50.919,5.884 51.094,5.709 ; 55.944,43.334 55.944,15.16 53.694,12.91 50.919,12.91 50.719,13.11 50.719,22.484 50.719,28.585 50.894,28.76 50.894,30.059 50.894,39.184 ; 44.319,88.859 43.969,88.509 43.969,78.41 45.994,76.385 60.919,76.385 62.894,78.36 62.894,83.285 ; 44.319,88.859 50.769,82.41 51.419,81.76 61.369,81.76 62.894,83.285 ; 44.319,88.859 44.319,101.76 33.519,112.56 17.794,112.56 15.269,115.085 15.269,117.41 16.669,118.81 18.744,118.81 36.844,118.81 44.877,110.776 67.102,110.776 71.169,106.71 71.169,102.06 65.919,102.06 54.844,102.06 50.944,98.16 50.944,95.035 50.944,87.685 ; 50.944,87.685 52.494,86.135 61.944,86.135 62.894,85.185 62.894,83.285

## Silkscreen, mask and mechanical layers (free items; w line width, h text height)
Top Overlay:
  drawing of 3 lines, arcs and shapes, not listed
  text "UART" at 44.594,114.185 h1.5
  text "CAN" at 11.619,111.76 h1.5
  text "M3" at 70.844,67.035 h1.5
  text "M4" at 67.544,67.01 h1.5
  text "APB" at 15.469,44.81 h1.5 r90
  text "Dan Weatherill" at 62.819,11.185 h1.5
  text "Douglas Young" at 62.819,9.635 h1.5
  text "Hydrophones" at 48.994,7.56 h1.5
  text "© 2012" at 65.394,7.285 h2
Bottom Overlay:
  drawing of 29 lines, arcs and shapes, not listed
  text "Tony Stark Built This In A Day" at 61.219,110.885 h1.5
  text "We love you" at 51.669,91.735 h3

## Text inside footprints (layer, text, board x,y; h text height)
C33: Top Overlay "+" at 41.369,75.985 h2 r270
P1: Top Overlay "JST  PA" at 23.444,9.21 h2 r180
P3: Top Overlay "JST  PA" at 16.819,121.835 h2.5
P4: Top Overlay "JST  PA" at 34.995,9.264 h2 r180
P5: Top Overlay "JST  PA" at 28.219,121.735 h2.5
P7: Top Overlay "JST  PA" at 46.319,9.235 h2 r180
P9: Top Overlay "JST  PA" at 50.419,121.835 h2
P10: Top Overlay "10" at 62.169,89.31 h1 r90; Top Overlay "9" at 55.619,88.31 h1 r90; Top Overlay "2" at 60.169,95.585 h1 r90; Top Overlay "1" at 56.219,95.585 h1 r90